# Altium PCB radioboard.PcbDoc (part 2 of 9) (continued)
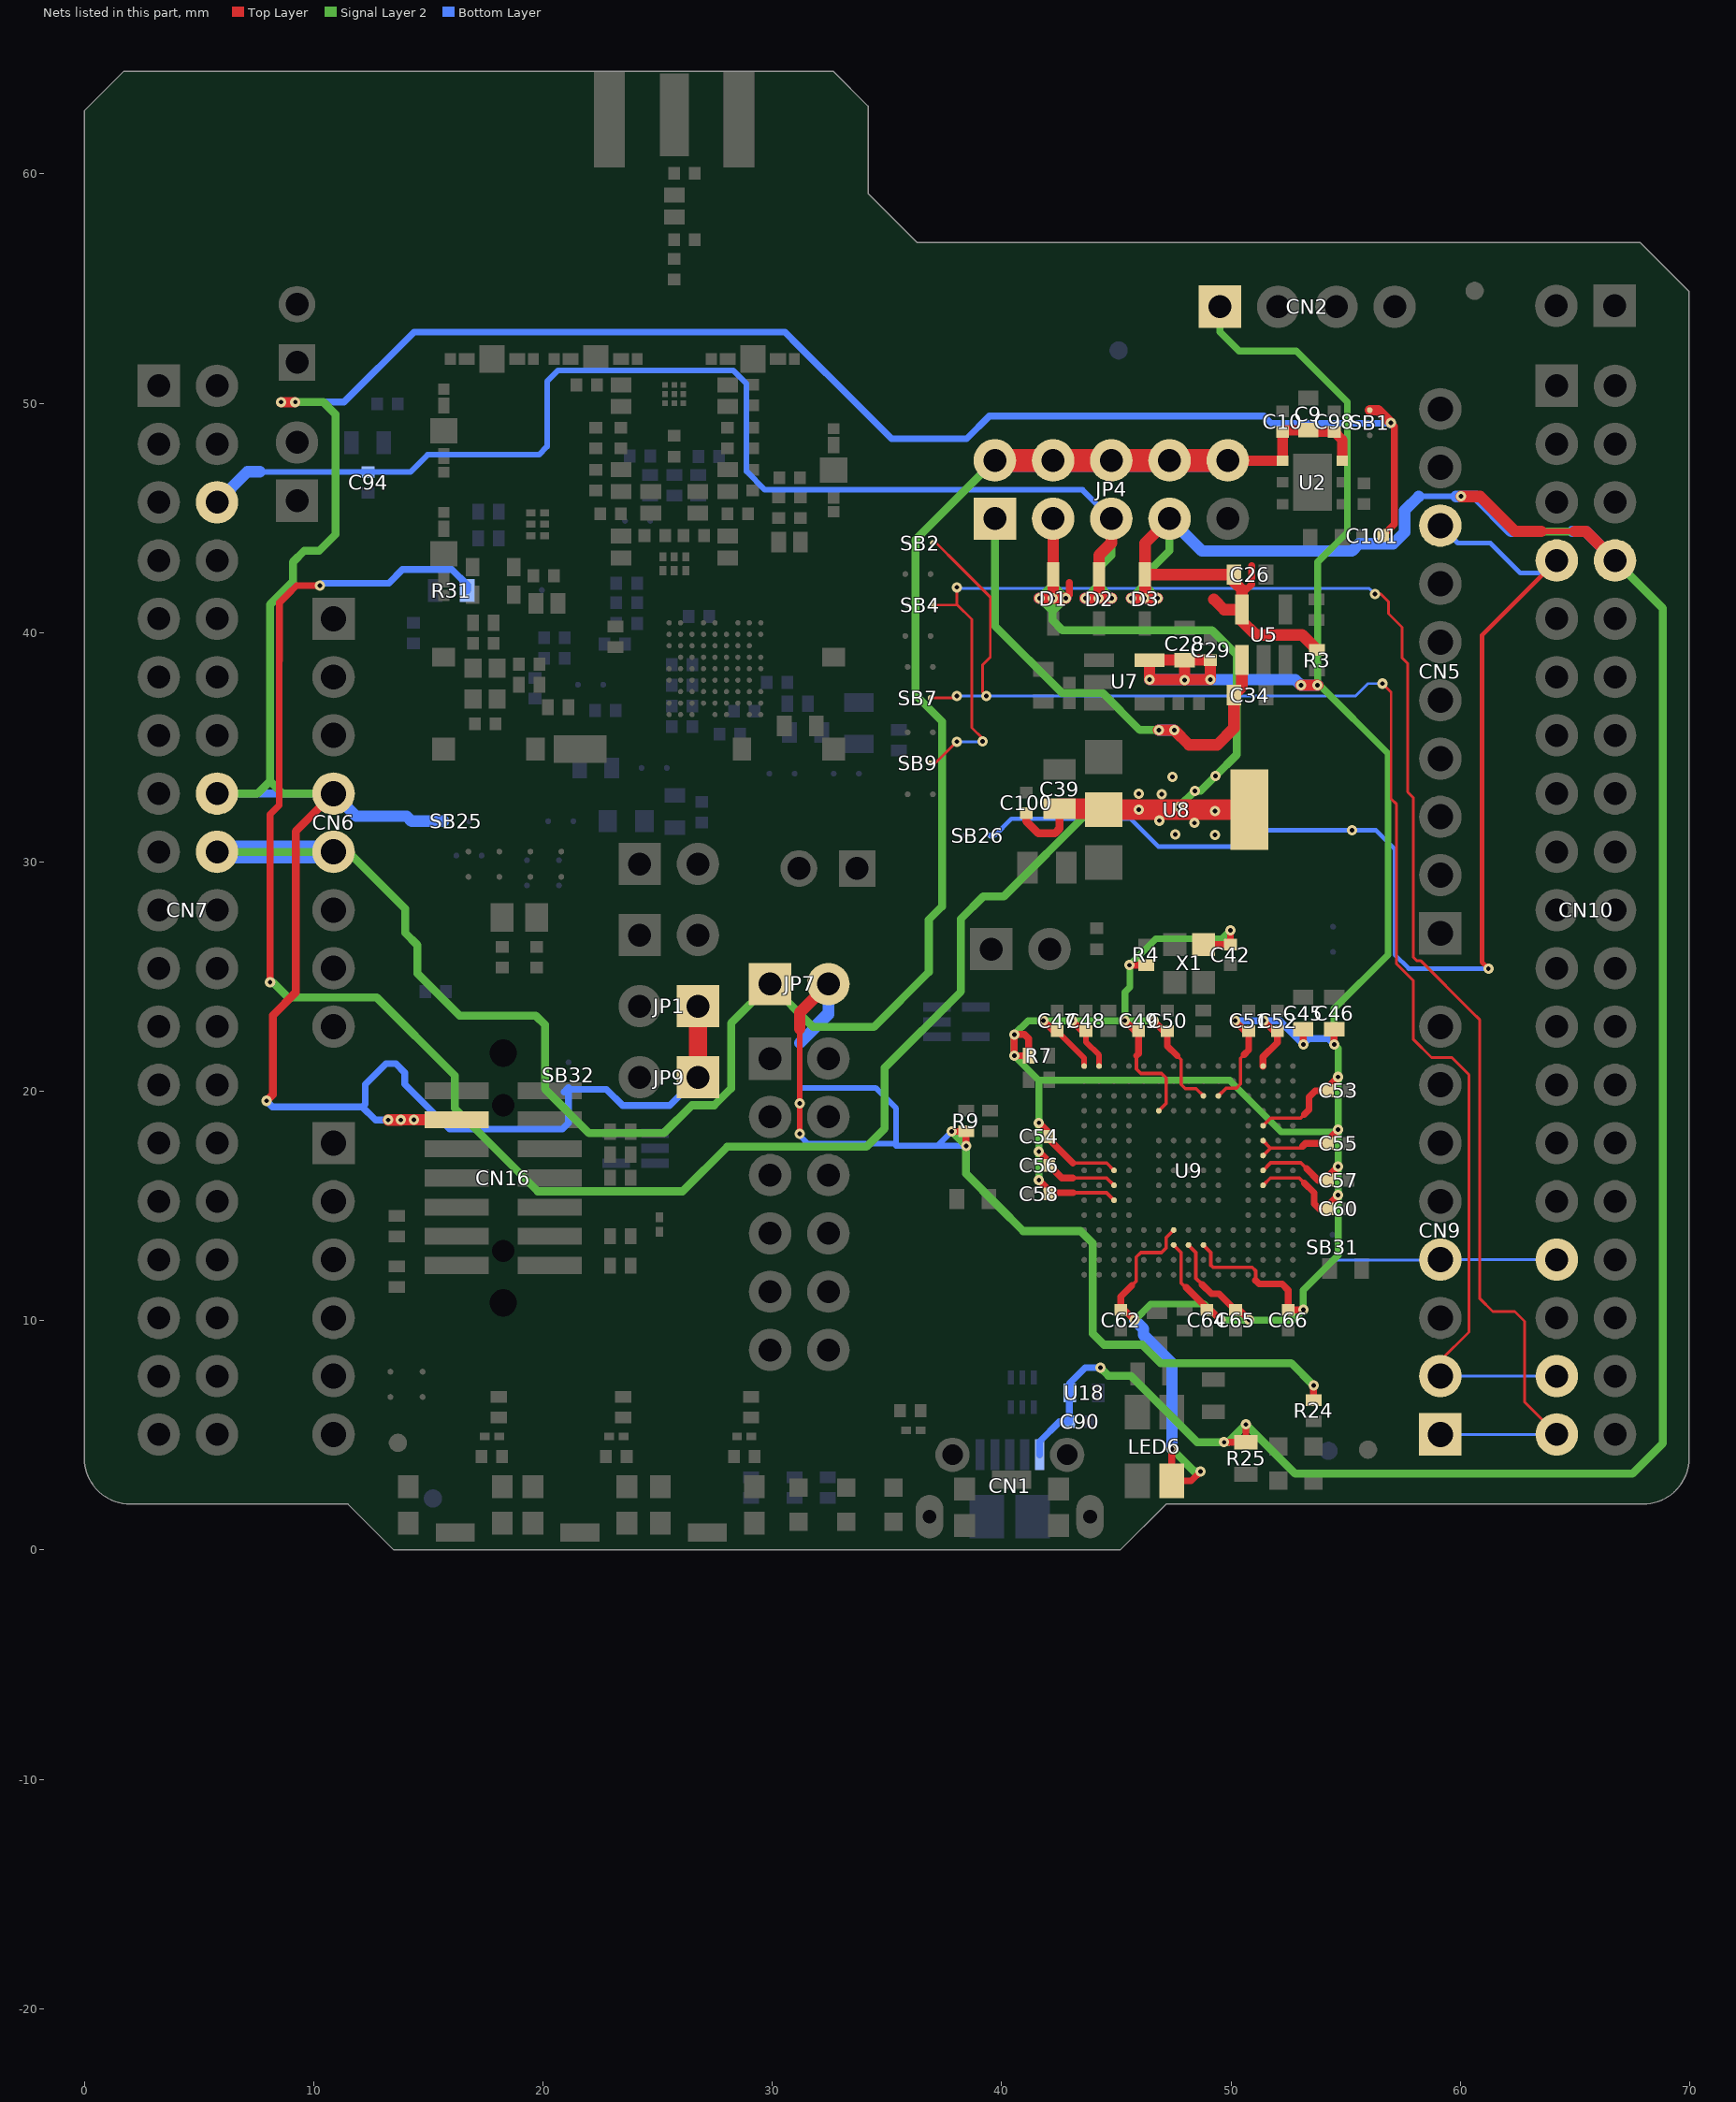
[diagram p4: the nets of this part, all layers, seen from the top]
## Part data (continued)
R18: library part MCD-00185, "Resistor,3K,0402,1%,1/16W", Manufacturer=YAGEO, Manufacturer_Part_Number=RC0402FR-073KL, Package=R0402, ComponentLink1Description=Datasheet, ComponentLink1URL=http://tunmcdsvn.tun.st.com/Component_Datasheet_Library/Trunk/Resistors/Yageo_Resistor_RC0402-series, ECCN_EU=NEC, ECCN_US=EAR99, Internal_Part_Number=MCD-00185, Part_Type=Resistor, Provided_By=SUBCO, Status=Released
R19 R20: library part MCD-00197, "Resistor,330R,0603,1%,1/10W", Manufacturer=YAGEO, Manufacturer_Part_Number=RC0603FR-07330RL, Package=R0603, BMS_Part_Number=9129729, ComponentLink1Description=Datasheet, ComponentLink1URL=http://tunmcdsvn.tun.st.com/Component_Datasheet_Library/Trunk/Resistors/Yageo_Resistor_RC0603-series, ECCN_EU=NEC, ECCN_US=EAR99, Internal_Part_Number=MCD-00197, Part_Type=Resistor, Provided_By=SUBCO, Status=Released
R21 R22 R23: library part MCD-00061, "Resistor,1K,0402,1%,1/16W", Manufacturer=YAGEO, Manufacturer_Part_Number=RC0402FR-071KL, Package=R0402, ComponentLink1Description=Datasheet, ComponentLink1URL=http://tunmcdsvn.tun.st.com/Component_Datasheet_Library/Trunk/Resistors/Yageo_Resistor_RC0402-series, ECCN_EU=NEC, ECCN_US=EAR99, Internal_Part_Number=MCD-00061, Part_Type=Resistor, Provided_By=SUBCO, Status=Released
R24: library part MCD-00499, "Resistor,620R,0402,1%,1/16W", Manufacturer=YAGEO, Manufacturer_Part_Number=RC0402FR-07620RL, Package=R0402, ComponentLink1Description=Datasheet, ComponentLink1URL=http://tunmcdsvn.tun.st.com/Component_Datasheet_Library/Trunk/Resistors/Yageo_Resistor_RC0402-series, ECCN_EU=NEC, ECCN_US=EAR99, Internal_Part_Number=MCD-00499, Part_Type=Resistor, Provided_By=SUBCO, Status=Released
R25 R31: library part MCD-00070, "Resistor,1K,0603,1%,1/10W", Manufacturer=YAGEO, Manufacturer_Part_Number=RC0603FR-071KL, Package=R0603, ComponentLink1Description=Datasheet, ComponentLink1URL=http://tunmcdsvn.tun.st.com/Component_Datasheet_Library/Trunk/Resistors/Yageo_Resistor_RC0603-series, ECCN_EU=NEC, ECCN_US=EAR99, Internal_Part_Number=MCD-00070, Part_Type=Resistor, Provided_By=SUBCO, Status=Released
R26: library part MCD-00220, "Resistor,10K,0603,1%,1/10W", Manufacturer=YAGEO, Manufacturer_Part_Number=RC0603FR-0710KL, Package=R0603, ComponentLink1Description=Datasheet, ComponentLink1URL=http://tunmcdsvn.tun.st.com/Component_Datasheet_Library/Trunk/Resistors/Yageo_Resistor_RC0603-series, ECCN_EU=NEC, ECCN_US=EAR99, Internal_Part_Number=MCD-00220, Part_Type=Resistor, Provided_By=SUBCO, Status=Released
R32 R33 R37 R38 R39 R40: library part MCD-00052, "Resistor,0R,0402,5%,1/16W", Manufacturer=YAGEO, Manufacturer_Part_Number=RC0402JR-070RL, Package=R0402, ComponentLink1Description=Datasheet, ComponentLink1URL=http://tunmcdsvn.tun.st.com/Component_Datasheet_Library/Trunk/Resistors/Yageo_Resistor_RC0402-series, ECCN_EU=NEC, ECCN_US=EAR99, Internal_Part_Number=MCD-00052, Part_Type=Resistor, Provided_By=SUBCO, Status=Released
R34: library part MCD-00461, "Resistor,360R,0402,1%,1/16W", Manufacturer=YAGEO, Manufacturer_Part_Number=RC0402FR-07360RL, Package=R0402, ComponentLink1Description=Datasheet, ComponentLink1URL=http://tunmcdsvn.tun.st.com/Component_Datasheet_Library/Trunk/Resistors/Yageo_Resistor_RC0402-series, ECCN_EU=NEC, ECCN_US=EAR99, Internal_Part_Number=MCD-00461, Part_Type=Resistor, Provided_By=SUBCO, Status=Released
R35: library part MCD-00441, "Resistor,270R,0402,1%,1/16W", Manufacturer=YAGEO, Manufacturer_Part_Number=RC0402FR-07270RL, Package=R0402, ComponentLink1Description=Datasheet, ComponentLink1URL=http://tunmcdsvn.tun.st.com/Component_Datasheet_Library/Trunk/Resistors/Yageo_Resistor_RC0402-series, ECCN_EU=NEC, ECCN_US=EAR99, Internal_Part_Number=MCD-00441, Part_Type=Resistor, Provided_By=SUBCO, Status=Released
R36: library part MCD-00194, "Resistor,120R,0402,1%,1/16W", Manufacturer=YAGEO, Manufacturer_Part_Number=RC0402FR-07120RL, Package=R0402, ComponentLink1Description=Datasheet, ComponentLink1URL=http://tunmcdsvn.tun.st.com/Component_Datasheet_Library/Trunk/Resistors/Yageo_Resistor_RC0402-series, ECCN_EU=NEC, ECCN_US=EAR99, Internal_Part_Number=MCD-00194, Part_Type=Resistor, Provided_By=SUBCO, Status=Released
SB1 SB2 SB3 SB4 SB5 SB6 SB7 SB8 SB9 SB10 SB11 SB12 SB13 SB14 SB15 SB16 SB18 SB19 SB20 SB21 SB22 SB23 SB24 SB25 SB26 SB27 SB28 SB29 SB30 SB31 SB32: library part MCD-00071, "Solder Bridge ON", Manufacturer=YAGEO, Manufacturer_Part_Number=RC0603JR-070RL, Package=SB0603, ComponentLink1Description=Datasheet, ComponentLink1URL=http://tunmcdsvn.tun.st.com/Component_Datasheet_Library/Trunk/Resistors/Yageo_Resistor_RC0603-series, ECCN_EU=n/a, ECCN_US=n/a, Internal_Part_Number=MCD-00071, Part_Type=Mechanical, Provided_By=SUBCO, Status=Released
SC1 SC3 SC4 SC5 SC6 SC7: library part MCD-01587, "shield clip Harwin S0951-46R to fix RF shielded cavity", Manufacturer=HARWIN, Manufacturer_Part_Number=S0951-46R, Package=na, ComponentLink1Description=Datasheet, ComponentLink1URL=http://tunmcdsvn.tun.st.com/Component_Datasheet_Library/Trunk/Connectors/Harwin_Shield-clip_S0951-46R, ECCN_EU=tbd, ECCN_US=tbd, Internal_Part_Number=MCD-01587, Part_Type=Connector, Provided_By=SUBCO, Status="Footprint available"
SC2: library part MCD-02165, "shield clip Harwin S0911-46R to fix RF shielded cavity - SMT RFI Shield Clip, Compact (T+R)", Alternate_Manufacturer=N/A, Manufacturer=HARWIN, Manufacturer_Part_Number=S0911-46R, Alternate_Manufacturer_Part_Number=N/A, ComponentLink1Description=Datasheet, ComponentLink1URL=http://tunmcdsvn.tun.st.com/Component_Datasheet_Library/Trunk/Connectors/Harwin_Shield-clip_S0911-46R, Internal_Part_Number=MCD-02165, Order_Code_Digikey=952-4312-1-ND, Order_Code_Farnell=3104143, Order_Code_RS=N/A, Part_Type=Misc, PCB_Footprint_Ref1=CLIP_HARWIN_S0911-46R, Provided_By=SUBCO, Status=Checked
SC8 SC9: library part MCD-02164, "shield clip Harwin S0981-46R to fix RF shielded cavity - SMT RFI Shield Clip, Corner (T+R)", Alternate_Manufacturer=N/A, Manufacturer=HARWIN, Manufacturer_Part_Number=S0981-46R, Alternate_Manufacturer_Part_Number=N/A, ComponentLink1Description=Datasheet, ComponentLink1URL=http://tunmcdsvn.tun.st.com/Component_Datasheet_Library/Trunk/Connectors/Harwin_Shield-clip_S0981-46R, Internal_Part_Number=MCD-02164, Order_Code_Digikey=952-2518-1-ND, Order_Code_Farnell=2361678, Order_Code_RS=161-3702, Part_Type=Misc, PCB_Footprint_Ref1=CLIP_HARWIN_S0981-46R, Provided_By=SUBCO, Status=Checked
U1: library part MCD-02018, "Wideband RF SP3T Switch", Manufacturer=INFINEON, Manufacturer_Part_Number=BGS13S4N9, Package=TSNP-9-3, ComponentLink1Description=Datasheet, ComponentLink1URL=http://tunmcdsvn.tun.st.com/Component_Datasheet_Library/Trunk/IC/Infineon_SP3T_BGS13S4N9/Infineon-BGS13S4N9-DS-v01_00-EN.pdf, ECCN_EU=tbd, ECCN_US=EAR99, Internal_Part_Number=MCD-02018, Part_Type=IC, Provided_By=SUBCO, Status=Checked
U2: library part MCD-00215, "Low quiescent current and low noise voltage regulators", Manufacturer=STMICROELECTRONICS, Manufacturer_Part_Number=LD39050PU33R, Package="DFN6 3x3mm", BMS_Part_Number=9176126, ComponentLink1Description=Datasheet, ComponentLink1URL=http://tunmcdsvn.tun.st.com/Component_Datasheet_Library/Trunk/IC/STM_LDO_LD39050PU, ECCN_EU=NEC, ECCN_US=EAR99, Internal_Part_Number=MCD-00215, Part_Type=IC, Provided_By="SUBCO with ST control", Status=Released
U3 U4: library part MCD-01514, "DC switch - Ultra-Low 0.5ohm  SPDT analog switch", Manufacturer=NXP, Manufacturer_Part_Number=NX3L1T3157GM, Package=SOT886, ComponentLink1Description=Datasheet, ComponentLink1URL=http://tunmcdsvn.tun.st.com/Component_Datasheet_Library/Trunk/IC/NXP_DCswitch_NX3L1T3157/, ECCN_EU=NEC, ECCN_US=EAR99, Internal_Part_Number=MCD-01514, Part_Type=IC, Provided_By=SUBCO, Status="Footprint available"
U5: library part MCD-00159, "500mA, Enhanced single channel power switches with active high enable pin", Alternate_Manufacturer="TEXAS INSTRUMENTS", Alternate_Manufacturer_Part_Number=TPS2051C, Manufacturer=STMICROELECTRONICS, Manufacturer_Part_Number=STMPS2151STR, BMS_Part_Number=9159009, ComponentLink1Description=Datasheet, ComponentLink1URL=http://tunmcdsvn.tun.st.com/Component_Datasheet_Library/Trunk/IC/STM_PWR-Switch_STMPS2151STR, ECCN_EU=NEC, ECCN_US=EAR99, Internal_Part_Number=MCD-00159, Part_Type=IC, Provided_By="SUBCO with ST control", Status=Released
U6: library part MCD-01435, "Multiprotocol Wireless 32-bit MCUwith LPWAN Sub-GHz radio solution", Manufacturer=STMICROELECTRONICS, Manufacturer_Part_Number=STM32WL55JCI7, Package=UFBGA73, ComponentLink1Description=Datasheet, ComponentLink1URL=http://tunmcdsvn.tun.st.com/Component_Datasheet_Library/Trunk/IC/STM_STM32WL5x, ECCN_EU=tbd, ECCN_US=tbd, Internal_Part_Number=MCD-01435, Part_Type=IC, Provided_By=n/a, Status="Footprint available"
U7: library part MCD-00086, "Ultra low drop-low noise BiCMOS voltage, regulators low ESR capacitors compatible", Manufacturer=STMICROELECTRONICS, Manufacturer_Part_Number=LD3985M33R, BMS_Part_Number=9176161, ComponentLink1Description=Datasheet, ComponentLink1URL=http://tunmcdsvn.tun.st.com/Component_Datasheet_Library/Trunk/IC/STM_LDO_LD3985, ECCN_EU=NEC, ECCN_US=EAR99, Internal_Part_Number=MCD-00086, Part_Type=IC, Provided_By="SUBCO with ST control", Status=Released
U8: library part MCD-00088, "IC REG LDO 5V 0.8A SOT223", Manufacturer=STMICROELECTRONICS, Manufacturer_Part_Number=LD1117S50TR, Package=SOT-223, BMS_Part_Number=9176133, ComponentLink1Description=Datasheet, ComponentLink1URL=http://tunmcdsvn.tun.st.com/Component_Datasheet_Library/Trunk/IC/STM_LDO_LD1117, ECCN_EU=NEC, ECCN_US=EAR99, Internal_Part_Number=MCD-00088, Part_Type=IC, Provided_By="SUBCO with ST control", Status=Released
U9: library part MCD-00596, "STM32F723IEK  (STM32F7) BGA176", Manufacturer=STMICROELECTRONICS, Manufacturer_Part_Number=STM32F723IEK6, BMS_Part_Number=9175300, ComponentLink1Description=Datasheet, ComponentLink1URL=http://tunmcdsvn.tun.st.com/Component_Datasheet_Library/Trunk/IC/BGA176+25L_10x10x0.6_pitch0.65, ECCN_EU=NEC, ECCN_US=3A991A2, Internal_Part_Number=MCD-00596, Part_Type=IC, Provided_By="SUBCO with ST control", Status=Released
U10 U11 U12 U13 U14: library part MCD-00170, "ESD protection 6V1", Manufacturer=STMICROELECTRONICS, Manufacturer_Part_Number=ESDALC6V1-1U2, BMS_Part_Number=9151132, ComponentLink1Description=Datasheet, ComponentLink1URL=http://tunmcdsvn.tun.st.com/Component_Datasheet_Library/Trunk/Diodes/STM_ESD_ESDALC6V1-1U2, ECCN_EU=NEC, ECCN_US=EAR99, Internal_Part_Number=MCD-00170, Part_Type=Diode, Provided_By="SUBCO with ST control", Status=Released
U15 U16: library part MCD-00136, "Dual Transil array for ESD protection", Manufacturer=STMICROELECTRONICS, Manufacturer_Part_Number=ESDALC6V1W5, BMS_Part_Number=9151112, ComponentLink1Description=Datasheet, ComponentLink1URL=http://tunmcdsvn.tun.st.com/Component_Datasheet_Library/Trunk/Diodes/STM_ESD_ESDALC6V1W5, ECCN_EU=NEC, ECCN_US=EAR99, Internal_Part_Number=MCD-00136, Part_Type=Diode, Provided_By="SUBCO with ST control", Status=Released
U17: library part MCD-00649, "Common mode filter with ESD protection for USB 2.0 interface", Manufacturer=STMICROELECTRONICS, Manufacturer_Part_Number=ECMF02-2AMX6, BMS_Part_Number=9151138, ComponentLink1Description=Datasheet, ComponentLink1URL=http://tunmcdsvn.tun.st.com/Component_Datasheet_Library/Trunk/Diodes/STM_ESD_ECMF02-2AMX6, ECCN_EU=NEC, ECCN_US=EAR99, Internal_Part_Number=MCD-00649, Part_Type=Diode, Provided_By="SUBCO with ST control", Status=Released
U18: library part MCD-00251, "High power transient voltage suppressor, 7V breakdown", Manufacturer=STMICROELECTRONICS, Manufacturer_Part_Number=ESDA7P60-1U1M, BMS_Part_Number=9179042, ComponentLink1Description=Datasheet, ComponentLink1URL=http://tunmcdsvn.tun.st.com/Component_Datasheet_Library/Trunk/Diodes/STM_ESD_ESDA7P60-1U1M, ECCN_EU=NEC, ECCN_US=EAR99, Internal_Part_Number=MCD-00251, Part_Type=Diode, Provided_By="SUBCO with ST control", Status=Released
X1: library part MCD-00597, "Oscillator 25Mhz, +-50ppm, Vcc:3.3V typ, square wave: [0.1Vcc;0.9Vcc], Enable pin, SMD", Alternate_Manufacturer=NDK, Alternate_Manufacturer_Part_Number="NZ2520SB 25MHz END4869B", Manufacturer_Part_Number="NZ2520SH 25MHz END4869C", BMS_Part_Number=9157050, ComponentLink1Description=Datasheet, ComponentLink1URL="http://tunmcdsvn.tun.st.com/Component_Datasheet_Library/Trunk/Crystal_Osc/NDK_NZ2520SH 25MHz END4869C", ECCN_EU=NEC, ECCN_US=EAR99, Internal_Part_Number=MCD-00597, Manufacturer=NDK, Part_Type=Crystal_Osc, Provided_By=SUBCO, Status=Released
X2: library part MCD-01479, "Crystal 32.768kHz, 6pF, -+20ppm, 80Kohm max, SMD", Manufacturer=NDK, Manufacturer_Part_Number="NX2012SA 32.768KHz EXS00A-MU00527", Package=NX2012SA, BMS_Part_Number=9157049, ComponentLink1Description=Datasheet, ComponentLink1URL="http://tunmcdsvn.tun.st.com/Component_Datasheet_Library/Trunk/Crystal_Osc/NDK_NX2012SA 32.768KHz EXS00A-MU00527", ECCN_EU=NEC, ECCN_US=EAR99, Internal_Part_Number=MCD-01479, Order_Code_Digikey=644-1352, Part_Type=Crystal_Osc, Provided_By=SUBCO, Status=Checked
X3: library part MCD-01507, "Crystal 32MHz, 10pF, +-10 ppm, 50ohm max, SMD", Manufacturer=NDK, Manufacturer_Part_Number="NX2016SA 32MHz EXS00A-CS06465", Package=NX2016SA, ComponentLink1Description=Datasheet, ComponentLink1URL="http://tunmcdsvn.tun.st.com/Component_Datasheet_Library/Trunk/Crystal_Osc/NDK_NX2016SA 32MHz EXS00A-CS06465", ECCN_EU=NEC, ECCN_US=EAR99, Internal_Part_Number=MCD-01507, Order_Code_Digikey=644-1300, Part_Type=Crystal_Osc, Provided_By=SUBCO, Status="Footprint available"
X4: library part MCD-02240, "NT2016SF-32M-END5875A", Alternate_Manufacturer=N/A, Manufacturer=NDK, Package="2016 size", Alternate_Manufacturer_Part_Number=N/A, ComponentLink1Description=Part_Information, ComponentLink1URL=http://tunmcdsvn.tun.st.com/Component_Datasheet_Library/Trunk/Crystal_Osc/NDK_NT2016SF%2032MHz%20END5875A%20(ETS10B-12472)/, Internal_Part_Number=MCD-02240, Manufacturer_Part_Number=NT2016SF-32M-END5875A, Order_Code_Digikey=N/A, Order_Code_Farnell=N/A, Order_Code_RS=N/A, Part_Preference=Recommended, Part_Type=Crystal_Osc, Status=Checked

## Via types
v1: diameter 0.25, hole 0.1, Signal Layer 2 to Bottom Layer, tented bottom, 4578 vias
v2: diameter 0.25, hole 0.1, Top Layer to Signal Layer 1, tented top, 4140 vias
v3: diameter 0.45, hole 0.2, Top Layer to Bottom Layer, tented both sides, 1295 vias
v4: diameter 0.25, hole 0.1, Top Layer to Signal Layer 1, tented both sides, 8 vias

## Nets (pads, with @x,y where several pads share a name; then routed paths per layer and width w, separated by ;. In a path a pad name is that pad's centre, name@x,y a point inside that pad or via, vN(x,y) a via of type N, cw(c..) or ccw(c..) an arc to the next point about the centre after c; other vN are vias at no path point)
3V3: C101.2 CN6.4 CN7.16 CN16.3 JP1.1 JP9.1 SB1.2 SB25.1 SB32.1 | length 146.8
  Top Layer w0.3: C101.2@56.625,44.225 57.125,44.725 57.125,49 v3(56.975,49.15)
  Top Layer w0.35: v3(7.948,19.584) 8.223,19.859 ; 8.223,21.85 8.223,19.859 ; 9.675,31.789 9.223,31.337 ; CN6.4@10.867,32.981 9.223,31.337 ; 8.223,19.859 8.223,23.312 9.223,24.312 9.223,31.337
  Top Layer w0.45: v3(8.575,50.05) v3(9.2,50.05) ; SB1.2@56.05,49.7 56.425,49.7 v3(56.975,49.15)
  Top Layer w0.5: v3(13.25,18.75) v3(13.8,18.75) ; v3@13.825,18.75 v3(13.8,18.75) ; CN16.3@16.232,18.758 v3(14.372,18.758) 13.808,18.758 v3(13.8,18.75)
  Top Layer w0.8: JP9.1@26.759,20.612 JP1.1@26.759,23.713
  Signal Layer 2 w0.35: CN7.16@5.787,32.981 7.556,32.981 8.1,33.525 ; v3(8.575,50.05) v3(9.2,50.05) 10.425,50.05 10.95,49.525 10.95,44.275 10.25,43.575 9.6,43.575 9.1,43.075 9.1,42.225 8.1,41.225 8.1,33.525 ; CN6.4@10.867,32.981 8.644,32.981 8.1,33.525 ; v3(13.25,18.75) v3(13.8,18.75) 14.364,18.75 v3(14.372,18.758)
  Bottom Layer w0.3: v3(7.948,19.584) 8.208,19.325 12.125,19.325 ; v3(8.575,50.05) v3(9.2,50.05) 11.325,50.05 14.375,53.1 30.55,53.1 31.145,52.505 33.58,50.07 35.2,48.45 35.295,48.45 35.298,48.452 38.473,48.452 39.46,49.44 51.435,49.44 51.75,49.125 v3@56.975,49.125 ; v3(14.372,18.758) 14.364,18.75 v3(13.8,18.75) v3(13.25,18.75) 12.7,18.75 12.125,19.325 ; 20.915,19.965 SB32.1@21.032,20.082 ; JP9.1@26.759,20.612 26.759,20.609 25.525,19.375 23.475,19.375 22.767,20.082 SB32.1@21.193,20.082 ; 12.125,19.325 12.248,19.448 12.248,20.302 13.154,21.208 13.58,21.208 13.975,20.813 13.975,20.308 15.929,18.353 20.85,18.353 21.113,18.616 SB32.1@21.113,20.082 ; SB32.1@21.032,20.082 SB32.1@21.113,20.163 ; SB32.1@21.032,20.082 SB32.1@21.113,20.082 ; SB32.1@21.113,20.082 SB32.1@21.113,20.163 ; SB32.1@21.113,20.082 SB32.1@21.193,20.082 ; SB32.1@21.113,20.163 SB32.1@21.193,20.082
  Bottom Layer w0.35: CN7.16@5.787,32.981 CN6.4@10.867,32.981
  Bottom Layer w0.45: v3@56.975,49.125 v3(56.975,49.15)
  Bottom Layer w0.5: CN6.4@10.867,32.981 11.853,31.995 14.055,31.995 14.275,31.775 SB25.1@15.675,31.775
3V3_STLK: C28.2 C29.2 C42.2 C45.2 C46.2 C47.2 C48.2 C49.2 C50.2 C51.2 C52.2 C53.2 C54.2 C55.2 C56.2 C57.2 C58.2 C60.2 C62.2 C64.2 C65.2 C66.2 CN2.1 LED6.4 R4.1 R7.1 U7.5 U9.C1 U9.C5 U9.C6 U9.C7 U9.C8 U9.C9 U9.F3 U9.G3 U9.G13 U9.H13 U9.J12 U9.J13 U9.K4 U9.N8 U9.N9 U9.N10 U9.P1 U9.R1 X1.4 | length 209.2
  Top Layer w0.15: 43.1,16.225 44.575,16.225 U9.N9@44.9,15.9 ; 43.105,16.87 44.58,16.87 U9.N8@44.9,16.55 ; 43.125,15.575 44.575,15.575 U9.N10@44.9,15.25 ; 45.675,11.525 45.87,11.72 45.87,12.773 46.067,12.97 46.973,12.97 47.17,13.167 47.17,13.62 U9.J12@47.5,13.95 ; 45.875,21.55 45.875,20.972 46.067,20.78 46.973,20.78 47.17,20.583 47.17,19.47 U9.K4@46.85,19.15 ; 47.65,21.55 47.825,21.375 47.825,20.3 48.005,20.12 48.48,20.12 U9.G3@48.8,19.8 ; U9.F3@49.45,19.8 49.78,20.13 50.233,20.13 50.42,20.317 50.42,21.445 50.575,21.6 ; U9.C9@51.4,15.9 51.725,16.225 52.975,16.225 53.2,16 ; U9.C8@51.4,16.55 51.73,16.88 53.045,16.88 53.3,16.625 ; U9.C7@51.4,17.2 51.72,17.52 ; U9.C6@51.4,17.85 51.4,17.84 51.72,17.52 ; U9.C5@51.4,18.5 51.725,18.825 53.025,18.825 53.2,19 ; 53.125,17.6 53.045,17.52 51.72,17.52
  Top Layer w0.16: U9.J13@47.5,13.3 47.825,12.975 47.825,11.65 48.025,11.45 ; U9.H13@48.15,13.3 48.475,12.975 48.475,11.85 48.75,11.575 ; U9.G13@48.8,13.3 49.125,12.975 49.125,12.785 49.125,12.425 49.225,12.325 49.315,12.325 ; 49.35,12.325 50.925,12.325 51.075,12.175 51.075,11.865 51.075,11.75
  Top Layer w0.25: C47.2@42.425,22.625 43.6,21.45 U9.R1@43.6,21.1 ; C48.2@43.675,22.625 43.675,22.15 44.25,21.575 U9.P1@44.25,21.1
  Top Layer w0.3: v3(41.625,16.125) 42.075,15.675 C58.2@42.075,15.525 42.125,15.575 43.125,15.575 ; v3(41.625,17.375) 42.075,16.925 C56.2@42.075,16.775 42.625,16.225 43.1,16.225 ; v3(41.625,18.625) 42.075,18.175 C54.2@42.075,18.025 42.075,17.9 43.105,16.87 ; v3(41.825,23.075) 42.275,22.625 C47.2@42.425,22.625 ; v3(43.075,23.075) 43.525,22.625 C48.2@43.675,22.625 ; C62.2@45.2,10.475 C62.2@45.35,10.475 ; v3(45.375,23.075) 45.825,22.625 C49.2@45.975,22.625 45.975,21.65 45.875,21.55 ; v3(45.575,25.5) R4.1@46.3,25.5 ; 45.675,11.525 45.2,11.05 45.2,10.625 C62.2@45.35,10.475 ; v3(45.8,10.025) C62.2@45.35,10.475 ; v3(46.625,23.075) 47.075,22.625 C50.2@47.225,22.625 47.225,21.975 47.65,21.55 ; v3(47.425,4.4) 47.417,4.392 LED6.4@47.417,3.015 48.265,3.015 v3(48.675,3.425) ; 48.05,11.45 48.95,10.55 C64.2@48.95,10.475 49.1,10.475 v3(49.55,10.025) ; 48.75,11.575 49.15,11.175 49.475,11.175 50.15,10.5 C65.2@50.2,10.5 ; X1.4@48.8,26.4 C42.2@49.975,26.4 v3(49.975,27.025) ; v3(50.175,23.075) 50.625,22.625 C51.2@50.775,22.625 50.775,21.8 50.575,21.6 ; C65.2@50.2,10.475 50.35,10.475 v3(50.8,10.025) ; 51.075,11.75 51.225,11.6 52.225,11.6 52.5,11.325 C66.2@52.5,10.475 v3(53.15,10.475) ; U9.C1@51.4,21.1 51.4,21.5 52.025,22.125 C52.2@52.025,22.625 51.875,22.625 v3(51.425,23.075) ; 53.125,17.6 53.25,17.725 C55.2@54.225,17.725 54.225,17.875 v3(54.675,18.325) ; v3(53.15,22.05) C45.2@53.15,22.7 ; 53.2,16 53.625,15.575 53.625,15.1 53.85,14.875 C60.2@54.225,14.875 C60.2@54.225,15.025 ; 53.2,19 53.4,19.2 53.4,19.75 53.675,20.025 C53.2@54.225,20.025 54.225,20.175 v3(54.675,20.625) ; 53.3,16.625 53.8,16.125 C57.2@54.225,16.125 54.225,16.275 v3(54.675,16.725) ; C60.2@54.175,15.025 C60.2@54.225,15.025 ; v3(54.5,22.05) C46.2@54.5,22.7 ; v3(54.675,15.475) C60.2@54.225,15.025 ; v3(40.55,21.55) R7.1@41.175,21.55 41.175,22.3 41,22.475 v3(40.55,22.475) v3(40.55,21.55)
  Top Layer w0.5: v3(53.05,37.7) v3(53.775,37.7) ; v3@47.95,37.95 v3@47.975,37.95 ; v3@47.95,37.95 v3(47.975,37.925) v3@47.975,37.95 ; v3@47.95,37.95 v3(46.45,37.95) U7.5@46.45,38.8 C28.2@47.975,38.8 ; v3@47.975,37.95 v3(49.1,37.95) C29.2@49.1,38.8 C28.2@47.975,38.8 ; v3@47.975,37.95 C28.2@47.975,38.8
  Signal Layer 2 w0.3: v3(41.625,16.125) v3(41.625,17.375) v3(41.625,18.625) 41.625,20.475 ; v3(45.8,10.025) 46.5,10.725 48.85,10.725 v3(49.55,10.025) v3(50.8,10.025) 52.7,10.025 v3(53.15,10.475) 53.15,11.325 54.675,12.85 v3(54.675,15.475) v3(54.675,16.725) v3(54.675,18.325) ; v3(46.625,23.075) v3(45.375,23.075) ; CN2.1@49.52,54.205 CN2.1@49.517,54.205 49.517,53.108 50.35,52.275 52.85,52.275 55.075,50.05 55.075,44.375 53.775,43.075 v3(53.775,37.7) ; v3(49.975,27.025) 49.6,26.65 46.725,26.65 v3(45.575,25.5) 45.595,25.48 45.595,24.545 45.375,24.325 v3(45.375,23.075) ; v3(53.05,37.7) v3(53.775,37.7) ; v3@54.75,18.325 v3(54.675,18.325) ; 41.625,20.475 v3(40.55,21.55) v3(40.55,22.475) 41.15,23.075 v3(41.825,23.075) v3(43.075,23.075) v3(45.375,23.075) ; 41.625,20.475 49.95,20.475 52.195,18.23 54.58,18.23 v3(54.675,18.325) ; v3(53.775,37.7) 53.875,37.7 56.85,34.725 56.85,25.95 54.5,23.6 v3(54.5,22.05) 54.675,21.875 v3(54.675,20.625) v3(54.675,18.325)
  Signal Layer 2 w0.35: v3(46.45,37.95) 46.475,37.925 v3(47.975,37.925) 48,37.95 v3(49.1,37.95) ; v3(47.425,4.4) 48.4,3.425 v3(48.675,3.425)
  Bottom Layer w0.3: v3(50.175,23.075) v3(51.425,23.075) 52.125,23.075 v3(53.15,22.05) 53.395,22.295 54.255,22.295 v3(54.5,22.05)
  Bottom Layer w0.5: v3(45.8,10.025) 46.18,9.645 46.18,9.379 47.425,8.134 v3(47.425,4.4) ; v3(46.45,37.95) v3@47.95,37.95 ; v3(47.975,37.925) v3@47.95,37.95 ; v3(53.775,37.7) v3(53.05,37.7) 52.8,37.95 v3(49.1,37.95) v3@47.95,37.95
5V: C9.2 C10.2 C98.2 CN6.5 CN7.18 JP4.2 JP4.4 JP4.6 JP4.8 JP4.10 JP7.1 U2.1 U2.6 | length 112.6
  Top Layer w0.45: JP4.10@49.875,47.519 JP4.10@49.862,47.506 49.868,47.5 U2.1@52.25,47.5 C10.2@52.25,48.75 52.325,48.825 C9.2@53.375,48.825 53.45,48.75 C98.2@54.5,48.75 54.85,48.4 U2.6@54.85,47.5
  Top Layer w1: JP4.2@39.702,47.506 JP4.4@42.242,47.506 JP4.6@44.782,47.506 JP4.8@47.322,47.506 JP4.10@49.862,47.506
  Signal Layer 2 w0.35: CN7.18@5.787,30.441 CN6.5@10.867,30.441 11.509,30.441 13.988,27.962 13.988,26.912 14.525,26.375 14.525,25.14 16.365,23.3 19.687,23.3 20.087,22.9 20.087,20.091 22.004,18.175 25.275,18.175 26.492,19.392 27.467,19.392 28.2,20.125 28.2,22.97 JP7.1@29.905,24.675 31.78,22.8 34.425,22.8 36.825,25.2 36.825,27.485 37.397,28.056 37.397,36.128 36.25,37.275 36.25,44.054 JP4.2@39.702,47.506 JP4.4@42.242,47.506 JP4.6@44.782,47.506 JP4.8@47.322,47.506 JP4.10@49.862,47.506
  Bottom Layer w1: CN7.18@5.787,30.441 CN6.5@10.867,30.441 ; JP4.2@39.702,47.506 JP4.4@42.242,47.506 JP4.6@44.782,47.506 JP4.8@47.322,47.506 JP4.10@49.862,47.506
5V_PWR: JP7.2 R9.1 R24.1 | length 57.2
  Top Layer w0.25: v3@31.195,18.15 v3(31.195,19.475) 31.195,22.725
  Top Layer w0.3: v3(37.825,18.25) R9.1@38.45,18.25 v3(38.45,17.625) ; R24.1@53.6,6.525 v3(53.6,7.175)
  Top Layer w0.5: 31.195,22.725 31.195,23.425 JP7.2@32.445,24.675
  Signal Layer 2 w0.25: v3@31.195,18.075 v3(31.195,19.475)
  Signal Layer 2 w0.35: v3(37.825,18.25) v3(38.45,17.625) 38.45,16.4 39.85,15 40.944,13.906 43.444,13.906 43.975,13.375 43.975,10 43.975,9.44 44.465,8.95 46.125,8.95 46.925,8.15 52.625,8.15 v3(53.6,7.175)
  Bottom Layer w0.25: 31.195,22.1 31.195,20.15 ; v3(37.825,18.25) 37.2,17.625 ; v3(38.45,17.625) 37.2,17.625 ; 31.195,20.15 v3(31.195,19.475) 31.195,18.075 31.555,17.715 35.31,17.715 35.4,17.625 ; 31.195,20.15 34.5,20.15 35.4,19.25 35.4,17.625 ; 35.4,17.625 37.2,17.625
  Bottom Layer w0.3: v3(37.825,18.25) v3(38.45,17.625)
  Bottom Layer w0.5: 31.2,22.1 32.445,23.345 32.445,23.407 ; 31.812,22.775 32.445,23.407 ; JP7.2@32.445,24.675 32.445,23.407
  other v3: 31.2,18.15
5V_USB_CHGR: C26.2 C90.2 CN1.1 CN10.8 D3.1 JP4.7 R3.2 R25.2 U5.5 U18.1 | length 138.2
  Top Layer w0.25: 63.532,44.411 64.986,44.411
  Top Layer w0.3: v3(49.7,4.7) R25.2@50.65,4.7 v3(50.65,5.475) ; 50.475,41.875 50.67,41.875 50.9,42.105 50.9,42.925
  Top Layer w0.5: v3(45.65,41.5) v3(46.225,41.5) v3@46.25,41.5 ; v3(46.8,41.5) v3@46.25,41.5 ; JP4.7@47.322,44.966 46.25,43.894 D3.1@46.25,42.545 ; 49.25,41.45 49.7,41 U5.5@50.475,41 ; R3.2@53.75,39.25 53.1,39.9 51.075,39.9 50.475,40.5 U5.5@50.475,41 ; v3(60.035,45.935) 60.865,45.935 62.389,44.411 63.532,44.411 ; 64.986,44.411 65.477,44.411 CN10.8@66.747,43.141 ; v3@46.25,41.5 D3.1@46.25,42.545 ; D3.1@46.25,42.545 46.27,42.525 C26.2@50.125,42.525 50.125,42.225 50.475,41.875 U5.5@50.475,41
  Signal Layer 2 w0.35: v3(44.3,7.95) 44.65,7.6 45.625,7.6 48.525,4.7 v3(49.7,4.7) 49.875,4.7 v3(50.65,5.475) 52.8,3.325 67.5,3.325 68.827,4.652 68.827,41.061 CN10.8@66.747,43.141 65.488,44.4 62.4,44.4 60.865,45.935 v3(60.035,45.935) ; JP4.7@47.322,44.966 47.322,43.572 46.225,42.475 46.225,42.075 ; v3(46.225,41.5) v3(46.8,41.5) 46.225,42.075 ; v3(46.225,41.5) v3(45.65,41.5) 46.225,42.075 ; v3(46.225,41.5) 46.225,42.075
  Bottom Layer w0.25: 58.185,45.935 59.802,45.935 ; 63.139,44.411 64.882,44.411
  Bottom Layer w0.3: CN1.1@41.656,4.15 41.656,4.731 42.525,5.6 C90.2@42.95,5.6 42.95,6.825 U18.1@42.975,6.85 42.975,7.275 43.65,7.95 v3(44.3,7.95)
  Bottom Layer w0.5: v3(45.65,41.5) v3(46.8,41.5) ; JP4.7@47.322,44.966 48.728,43.56 55.274,43.56 55.589,43.875 57.075,43.875 57.575,44.375 57.575,45.325 58.185,45.935 ; 59.802,45.935 60.69,45.935 62.214,44.411 63.139,44.411 ; 64.882,44.411 65.477,44.411 CN10.8@66.747,43.141
5V_USB_STLK: C34.2 JP4.1 U5.1 | length 22
  Top Layer w0.5: v3(46.85,35.75) v3(47.525,35.75) 48.175,35.1 49.4,35.1 50.125,35.825 C34.2@50.125,37.275 50.475,37.625 U5.1@50.475,38.8
  Signal Layer 2 w0.35: JP4.1@39.702,44.966 39.702,42.173 39.702,40.298 42.625,37.375 44.4,37.375 46.025,35.75 v3(46.85,35.75) v3(47.525,35.75)
  Bottom Layer w0.5: v3(46.85,35.75) v3(47.525,35.75)
5V_VIN: C39.2 C100.2 D1.1 JP4.3 R31.2 U8.2 U8.4 | length 125.8
  Top Layer w0.3: v3(8.1,24.75) 8.1,32.075 8.5,32.475 8.5,38.765 8.505,38.77 8.505,41.305 ; 9.012,41.813 8.505,41.305 ; v3(10.275,42.05) 9.25,42.05 8.505,41.305 ; v3(42.8,41.5) 42.95,41.65 42.95,42.175
  Top Layer w0.35: C100.2@41.075,32.125 41.075,31.775 41.6,31.25 42.325,31.25 42.525,31.45 C39.2@42.525,32.325
  Top Layer w0.5: v3(41.65,41.5) v3(42.225,41.5) v3@42.25,41.5 ; JP4.3@42.242,44.966 42.25,44.958 D1.1@42.25,42.545 v3@42.25,41.5 ; v3(42.8,41.5) v3@42.25,41.5
  Top Layer w0.9: C39.2@42.525,32.325 44.4,32.325 U8.2@44.45,32.275 v3(45.975,32.275) U8.4@50.8,32.275
  Signal Layer 2 w0.35: v3@8.225,24.725 8.225,24.75 8.884,24.091 12.749,24.091 16.162,20.678 16.162,19.25 19.775,15.637 26.087,15.637 28.03,17.58 34.105,17.58 34.9,18.375 34.9,21.025 38.225,24.35 38.225,27.525 39.2,28.5 40.1,28.5 43.875,32.275 ; JP4.3@42.242,44.966 42.225,44.949 42.225,42.075 ; 45.325,32.275 43.875,32.275 ; v3(41.65,41.5) v3(42.225,41.5) ; v3(41.65,41.5) 42.225,42.075 ; v3(41.65,41.5) 42.225,40.925 ; 42.225,40.925 v3(42.8,41.5) ; 42.225,40.925 v3(42.225,41.5) ; 42.225,40.925 42.225,40.525 42.65,40.1 49.175,40.1 50.25,39.025 50.25,34.675 v3(49.325,33.75) 48.675,33.1 v3(48.425,33.1) v3(47.725,32.4) 47.6,32.275 v3(45.975,32.275) 43.875,32.275 ; v3(42.225,41.5) v3(42.8,41.5) ; v3(42.225,41.5) 42.225,42.075 ; 42.225,42.075 v3(42.8,41.5)
  Bottom Layer w0.3: v3(10.275,42.05) 10.375,42.15 13.275,42.15 13.875,42.75 16.025,42.75 16.7,42.075 R31.2@16.7,41.825
  Bottom Layer w0.5: v3(41.65,41.5) v3(42.8,41.5)
  other v3: 49.3,31.175 47.575,31.2 48.4,31.7 46.875,31.8 49.3,32.225 46.975,32.95 45.975,32.975 47.45,33.7
ARD_D0_RX: CN9.1 CN10.37 SB4.2 SB9.1 | length 75.1
  Top Layer w0.12: SB9.1@36.9,34.3 37.1,34.3 37.6,34.8 38.045,35.245 v3(38.052,35.245) ; SB4.2@37,41.2 38.025,41.2 38.05,41.225 ; v3(38.05,41.975) 38.05,41.225 ; v3(39.175,35.25) 39.175,35.373 38.695,35.853 38.695,40.58 38.05,41.225 ; v3(56.278,41.677) 56.536,41.677 56.865,41.348 56.865,40.829 57.462,40.232 57.462,38.895 57.702,38.655 57.702,33.048 57.942,32.808 57.942,25.852 58.094,25.7 58.263,25.7 60.482,23.482 60.855,23.108 60.855,10.959 61.419,10.395 62.38,10.395 62.8,9.975 62.8,6.448 CN10.37@64.207,5.041
  Bottom Layer w0.12: v3(38.05,41.975) 38.095,41.93 56.022,41.93 56.107,41.845 56.13,41.845 v3@56.275,41.7 ; v3(38.052,35.245) 39.12,35.245 39.15,35.275 v3(39.175,35.25) ; CN9.1@59.127,5.041 CN10.37@64.207,5.041
ARD_D1_TX: CN9.2 CN10.35 SB2.2 SB7.1 | length 65.9
  Top Layer w0.12: SB7.1@36.9,37.15 38.05,37.15 v3(38.05,37.235) ; SB2.2@37,43.9 37.15,43.9 38.137,42.913 39.505,41.545 39.505,38.928 39.175,38.598 39.175,37.4 v3(39.34,37.235) ; v3(56.6,37.775) 56.982,37.393 56.982,32.75 57.222,32.51 57.222,25.554 57.942,24.834 57.942,22.275 58.751,21.466 59.634,21.466 60.375,20.725 60.375,9.5 59.127,8.252 CN9.2@59.127,7.581
  Bottom Layer w0.12: v3(38.05,37.235) v3(39.34,37.235) 55.435,37.235 55.975,37.775 v3(56.6,37.775) ; CN9.2@59.127,7.581 CN10.35@64.207,7.581
ARD_PB3: CN9.4 CN10.31 SB31.2 | length 9.8
  Bottom Layer w0.12: SB31.2@54.425,12.65 59.116,12.65 CN9.4@59.127,12.661 CN10.31@64.207,12.661
AVDD: CN5.8 CN10.7 SB26.1 | length 55.8
  Top Layer w0.2: v3@55.25,31.375 v3(55.275,31.375) ; v3(61.225,25.35) 60.945,25.63 60.945,39.879 CN10.7@64.207,43.141
  Bottom Layer w0.2: SB26.1@39.5,31.15 39.7,31.15 40.43,31.88 ; 41.625,31.88 40.43,31.88 ; 47.525,30.675 46.825,30.675 ; v3@55.25,31.4 v3(55.275,31.375) ; v3(61.225,25.35) 57.75,25.35 57.15,25.95 57.15,30.55 56.325,31.375 v3(55.275,31.375) ; CN10.7@64.207,43.141 63.666,42.6 62.615,42.6 61.312,43.903 59.889,43.903 CN5.8@59.127,44.665 ; 40.43,31.88 45.62,31.88 46.825,30.675 ; 46.825,30.675 50.4,30.675 51.1,31.375 v3(55.275,31.375) ; CN5.8@59.127,44.665 58.935,44.665 58.925,44.675 59.117,44.675 CN5.8@59.127,44.665
E5V: C94.2 CN7.6 D2.1 JP4.5 | length 60.4
  Top Layer w0.5: v3(43.65,41.5) v3(44.225,41.5) v3@44.25,41.5 ; JP4.5@44.782,44.966 44.782,43.9 44.25,43.368 D2.1@44.25,42.545 v3@44.25,41.5 ; v3(44.8,41.5) v3@44.25,41.5
  Signal Layer 2 w0.35: JP4.5@44.782,44.966 44.782,43.357 44.225,42.8 44.225,42.075 ; v3(44.225,41.5) v3(44.8,41.5) 44.225,42.075 ; v3(44.225,41.5) v3(43.65,41.5) 44.225,42.075 ; v3(44.225,41.5) 44.225,42.075
  Bottom Layer w0.25: 7.65,47.01 14.235,47.01 ; C94.2@12.375,47 C94.2@12.375,47.008 ; 14.233,47.008 14.235,47.01 ; JP4.5@44.782,44.966 43.523,46.225 29.675,46.225 28.875,47.025 28.875,50.85 28.3,51.425 20.65,51.425 20.18,50.955 20.18,48.105 19.825,47.75 14.975,47.75 14.235,47.01
  Bottom Layer w0.5: CN7.6@5.787,45.681 7.116,47.01 7.65,47.01 ; v3(43.65,41.5) v3(44.8,41.5)